# Altium PCB PCB.PcbDoc (part 1 of 3)
Units mm, origin at the board's own origin, x right, y up, seen from the top; angles counter-clockwise.
Board outline 138.43 x 79.63 mm, 2 copper layers (Top Layer, Bottom Layer), stack 1.57 mm thick; 201 components, 94 nets, 478 pads, 773 vias.
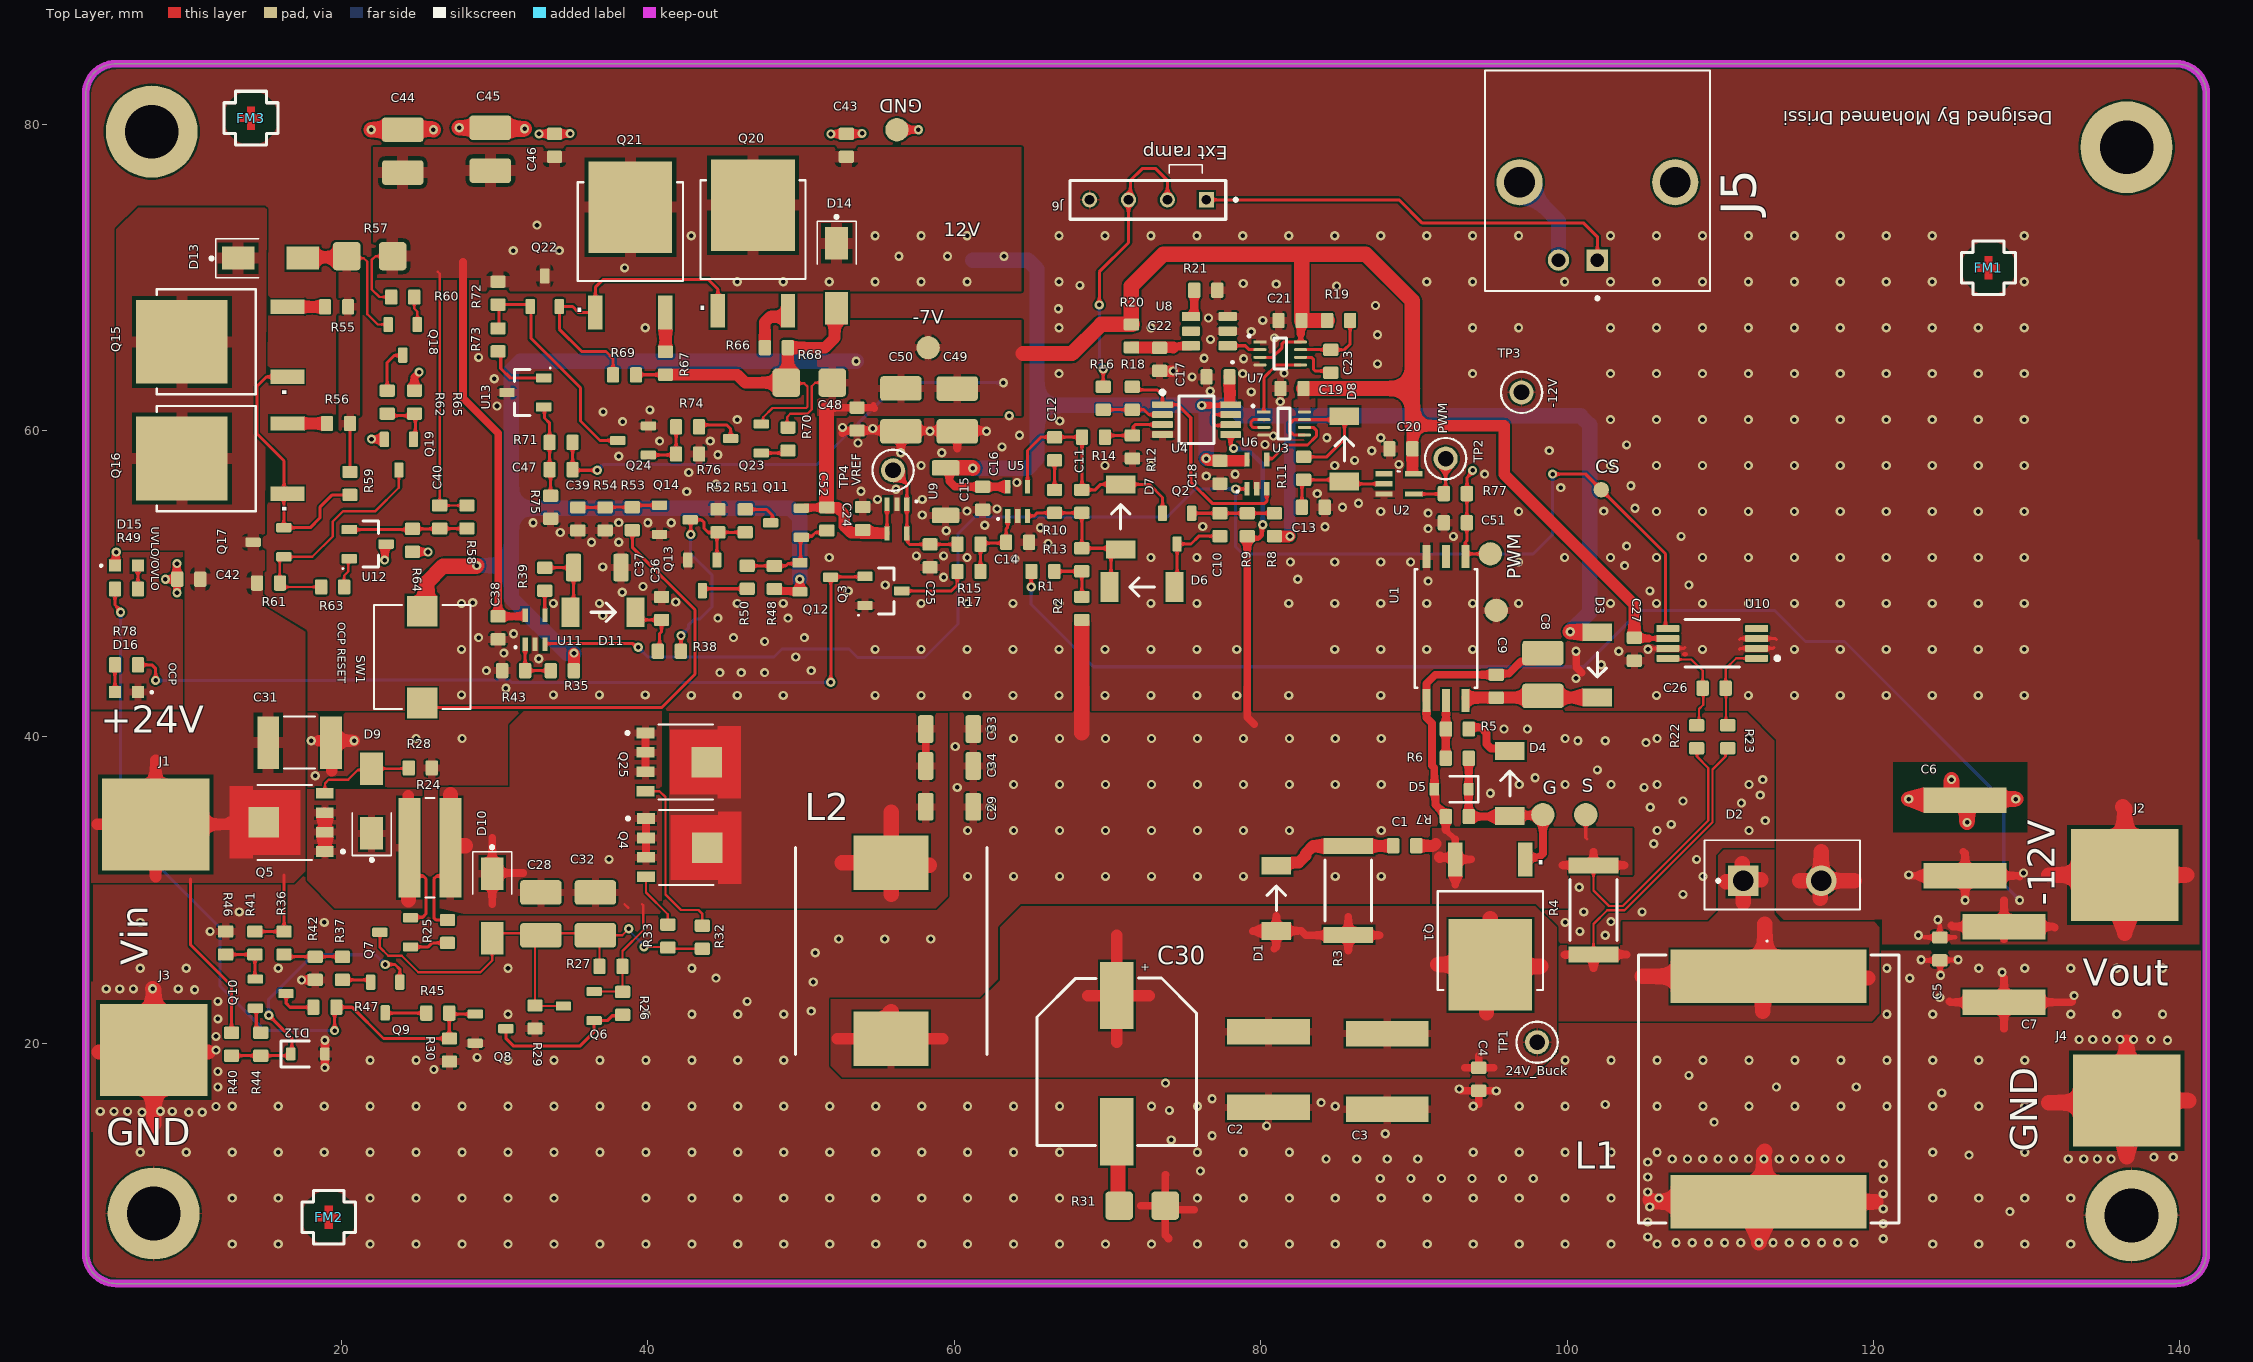
[diagram p0: Top Layer view]
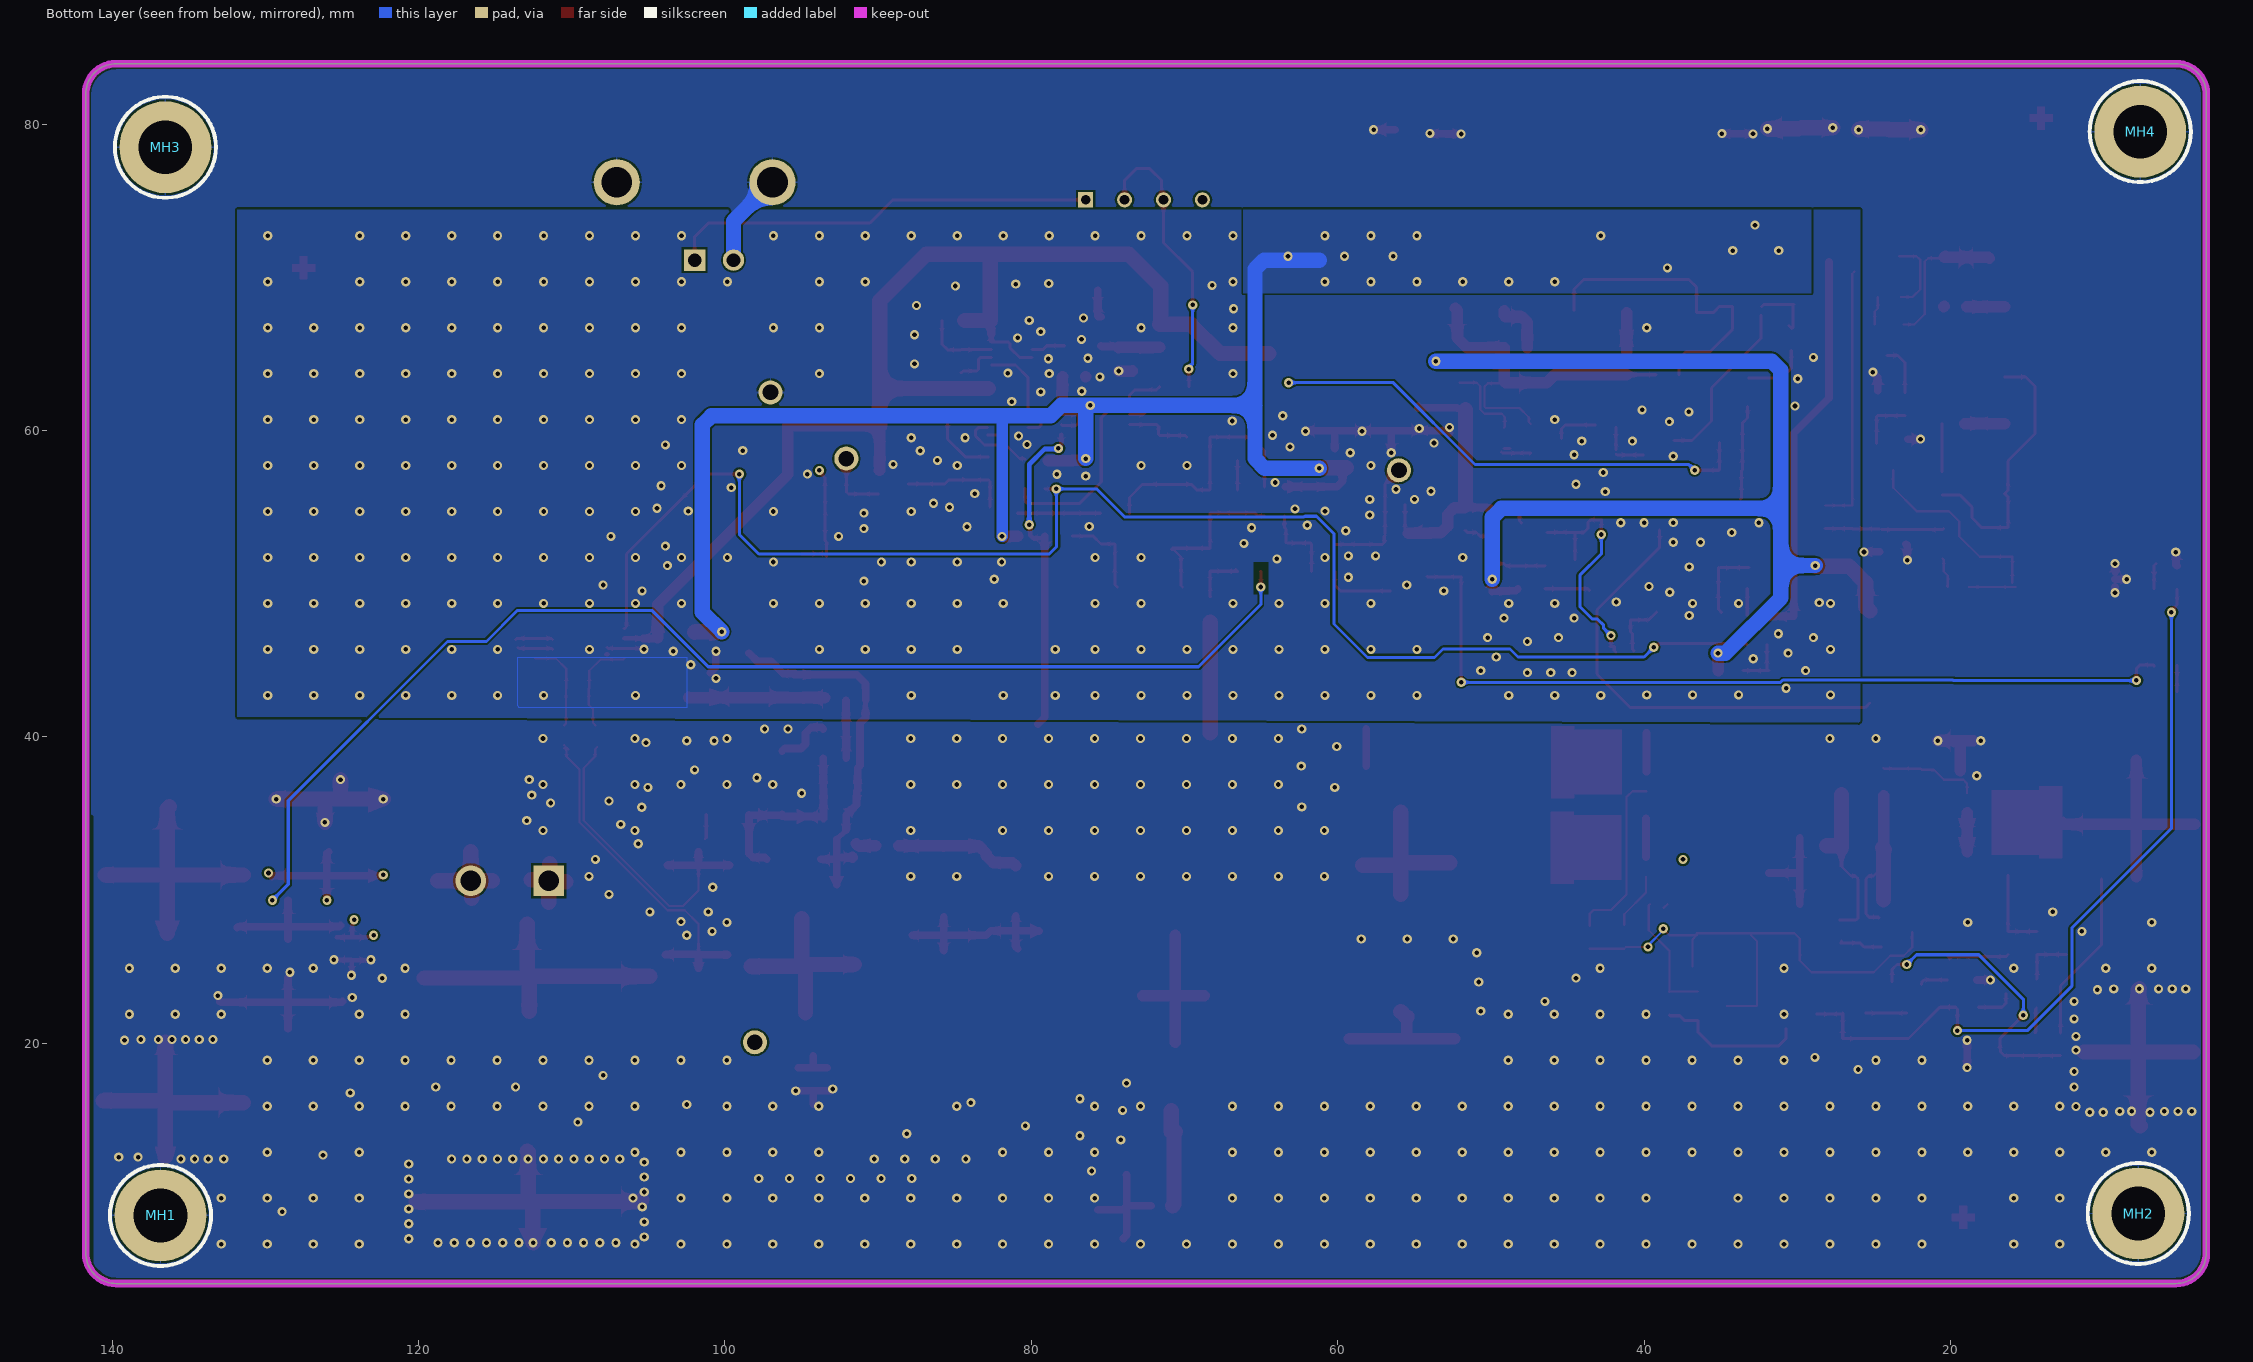
[diagram p1: Bottom Layer view, seen from below]
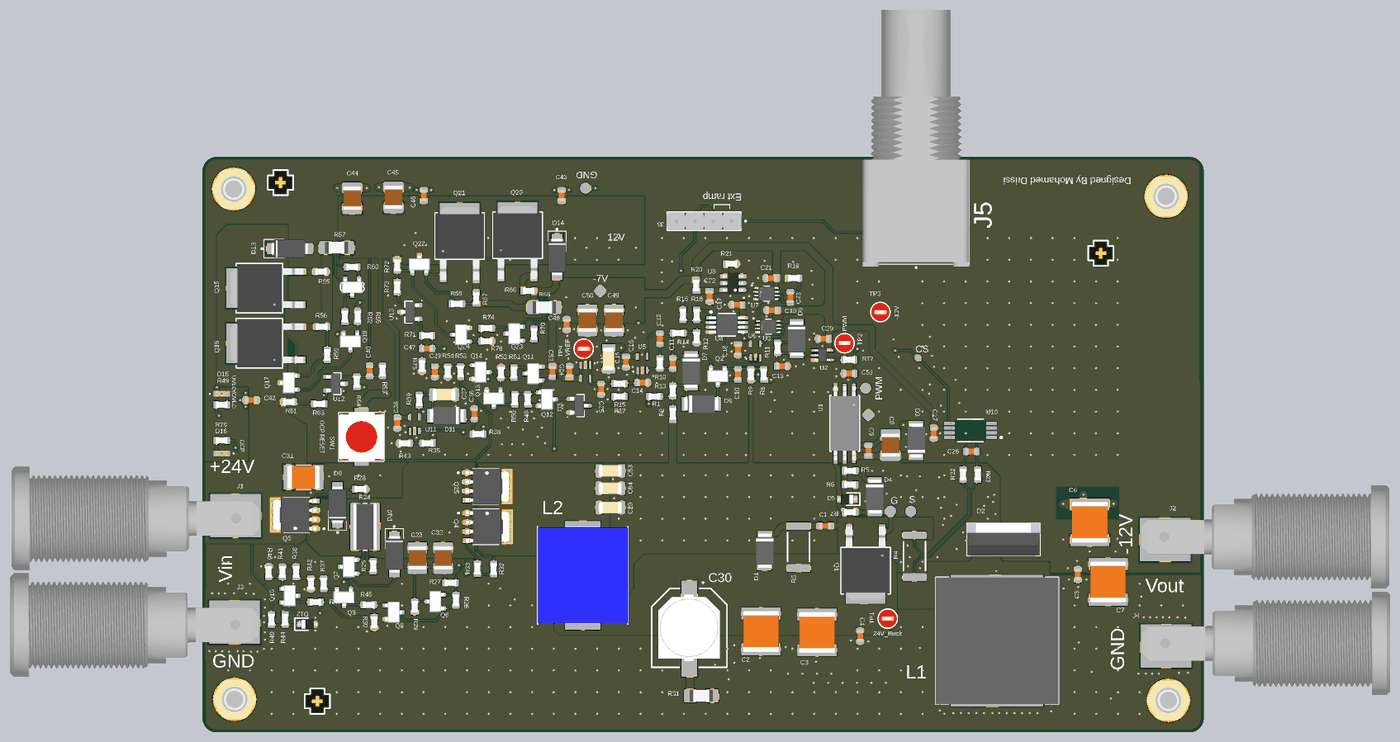
[diagram p4: 3D render of the assembled board from above, using the file's embedded part models]

## Layer stack, top to bottom
Top Solder: solder mask 0.01, Solder Resist, Dk 3.8
Top Layer: signal copper 0.035
Dielectric: dielectric 1.5, FR-4, Dk 4.5
Bottom Layer: signal copper 0.035
Bottom Solder: solder mask 0.01, Solder Resist, Dk 3.8

## Board outline
3.302,6.318 3.302,81.947 cw(c5.302,81.947) 5.302,83.947 139.732,83.947 cw(c139.732,81.947) 141.732,81.947 141.732,6.318 cw(c139.732,6.318) 139.732,4.318 5.302,4.318 cw(c5.302,6.318)

## Design rules (kind name [scope] priority, off if disabled: settings)
BoardOutlineClearance [All] p1: gap=0.2 ignorepadtopadclearanceinfootprint=FALSE
Clearance [All] p1: gap=0.127 ignorepadtopadclearanceinfootprint=FALSE except(0.25: Arc-Hole Track-Hole SMDPad-Hole THPad-Hole Via-Hole Fill-Hole Poly-Hole Region-Hole Text-Hole)
ComponentClearance [All] p1: gap=0.127 collisioncheckmode=3 verticalgap=0.127 showdistances=TRUE
DiffPairsRouting [All] p1: maxlimit=0.254 minlimit=0.127 mostfreqgap=0.127 toplayer_minwidth=0.127 toplayer_maxwidth=25.4 toplayer_prefwidth=0.127 bottomlayer_minwidth=0.127 bottomlayer_maxwidth=25.4 bottomlayer_prefwidth=0.127 maxuncoupledlength=12.7
Height [All] p1: minheight=0 maxheight=1816.048 prefheight=12.7
HoleSize [All] p1: absolutevalues=TRUE maxlimit=6.3 minlimit=0.3 maxpercent=80.000 minpercent=20.000
HoleToHoleClearance [All] p1: gap=0.25 allowstackedmicrovias=FALSE
MinimumAnnularRing [All] p1: minimumring=0.076
MinimumSolderMaskSliver [All] p1: minsoldermaskwidth=0
PlaneClearance [All] p1: clearance=0.127
PlaneConnect PlaneConnectPowerPads [InPadClass('PowerPads')] p1: planeconnectstyle=Direct reliefexpansion=0.508 reliefentries=4 reliefconductorwidth=0.254 reliefairgap=0.254
PlaneConnect [All] p2: pad.planeconnectstyle=Relief pad.reliefexpansion=0.3 pad.reliefentries=4 pad.reliefconductorwidth=0.127 pad.reliefairgap=0.127 via.planeconnectstyle=Direct via.reliefexpansion=0.3 via.reliefentries=4 via.reliefconductorwidth=0.127 via.reliefairgap=0.127
PolygonConnect "Pad Thermal relief 0.5mm" [IsNamedPolygon('NETD9_C_L01_P016') or IsNamedPolygon('NETC28_2_L01_P014')   or  IsNamedPolygon('NETD9_C_L01_P020')    or  IsNamedPolygon('NETC28_2_L01_P016')    or  IsNamedPolygon('Top Layer-+24V_Buck')    or IsNamedPolygon('+24V_IF_L01_P014')] p1: thpad.connectstyle=Relief thpad.reliefconductorwidth=0.254 thpad.reliefentries=4 thpad.polygonreliefangle="90 Angle" thpad.airgapwidth=0.254 smdpad.connectstyle=Relief smdpad.reliefconductorwidth=0.5 smdpad.reliefentries=4 smdpad.polygonreliefangle="90 Angle" smdpad.airgapwidth=0.254 via.connectstyle=Relief via.reliefconductorwidth=0.254 via.reliefentries=4 via.polygonreliefangle="90 Angle" via.airgapwidth=0.254
PolygonConnect "Pad Thermal relief 0.75mm" [IsNamedPolygon('Top Layer-+24V') or IsNamedPolygon('-7V_L01_P022') or IsNamedPolygon('-7V_L01_P023')      or IsNamedPolygon('Top Layer-+12V')    or IsNamedPolygon('-7V_L01_P034')] p2: thpad.connectstyle=Relief thpad.reliefconductorwidth=0.254 thpad.reliefentries=4 thpad.polygonreliefangle="90 Angle" thpad.airgapwidth=0.254 smdpad.connectstyle=Relief smdpad.reliefconductorwidth=0.75 smdpad.reliefentries=4 smdpad.polygonreliefangle="90 Angle" smdpad.airgapwidth=0.254 via.connectstyle=Direct via.reliefconductorwidth=0.254 via.reliefentries=4 via.polygonreliefangle="90 Angle" via.airgapwidth=0.254
PolygonConnect PolygonConnect_1 [IsNamedPolygon('-7V_L01_P022')  or IsNamedPolygon('-12V_L01_P023')  or IsNamedPolygon('NETD13_A_L01_P003')] p3: thpad.connectstyle=Relief thpad.reliefconductorwidth=0.254 thpad.reliefentries=4 thpad.polygonreliefangle="90 Angle" thpad.airgapwidth=0.254 smdpad.connectstyle=Direct smdpad.reliefconductorwidth=0.254 smdpad.reliefentries=4 smdpad.polygonreliefangle="90 Angle" smdpad.airgapwidth=0.254 via.connectstyle=Direct via.reliefconductorwidth=0.254 via.reliefentries=4 via.polygonreliefangle="90 Angle" via.airgapwidth=0.254
PolygonConnect PolygonConnectPowerPads [All vs (InPadClass('PowerPads'))] p4: connectstyle=Direct reliefconductorwidth=0.254 reliefentries=4 polygonreliefangle="90 Angle" airgapwidth=0.254
PolygonConnect [All] p5: thpad.connectstyle=Relief thpad.reliefconductorwidth=0.127 thpad.reliefentries=4 thpad.polygonreliefangle="90 Angle" thpad.airgapwidth=0.127 smdpad.connectstyle=Relief smdpad.reliefconductorwidth=0.5 smdpad.reliefentries=4 smdpad.polygonreliefangle="90 Angle" smdpad.airgapwidth=0.127 via.connectstyle=Direct via.reliefconductorwidth=0.127 via.reliefentries=4 via.polygonreliefangle="90 Angle" via.airgapwidth=0.127
RoutingVias [All] p1: holewidth=0.3 width=0.6 viastyle="Through Hole" minholewidth=0.3 minwidth=0.6 maxholewidth=0.6 maxwidth=6.6
SilkToSilkClearance [All] p1: silktosilkclearance=0
SilkToSolderMaskClearance [IsPad] p1: minsilkscreentomaskgap=0.127 clearancetoexposedcopper=TRUE
SolderMaskExpansion [All] p1: expansion=0.075 istentingtop=FALSE
SupplyNets "Schematic Supply Nets_7" [InNet('-12V')] p1: voltage=0.000
SupplyNets "Schematic Supply Nets_6" [InNet('+12V')] p2: voltage=0.000
SupplyNets "Schematic Supply Nets_5" [InNet('GND')] p3: voltage=0.000
SupplyNets "Schematic Supply Nets_4" [InNet('+24V_Buck')] p4: voltage=0.000
SupplyNets "Schematic Supply Nets_3" [InNet('+1V216')] p5: voltage=0.000
SupplyNets "Schematic Supply Nets_2" [InNet('+24V_IF')] p6: voltage=0.000
SupplyNets "Schematic Supply Nets_1" [InNet('+24V')] p7: voltage=0.000
SupplyNets "Schematic Supply Nets" [InNet('-7V')] p8: voltage=0.000
Width [All] p1: maxlimit=1 minlimit=0.15 preferedwidth=0.15
20 further rules are at their usual default settings.

## Classes and differential pairs
component class Protections: C36 C37 C38 C39 C52 D11 D12 D15 D16 Q9 Q10 Q11 Q12 Q13 Q14 R35 R36 R37 R38 R39 R40 R41 R42 R43 R44 R45 R46 R47 R48 R49 R50 R51 R52 R53 R54 R78 SW1 U11
component class "Power stage": C1 C2 C3 C4 C5 C6 C7 C8 C9 C51 D1 D2 D3 D4 D5 L1 Q1 R3 R4 R5 R6 R7 R22 R23 R77 TP1 U1
component class Main: FM1 FM2 FM3 J1 J2 J3 J4 J5 J6 MH1 MH2 MH3 MH4 R1 R2
component class "Linear regulators": C40 C42 C43 C44 C45 C46 C47 C48 C49 C50 D13 D14 Q15 Q16 Q17 Q18 Q19 Q20 Q21 Q22 Q23 Q24 R55 R56 R57 R58 R59 R60 R61 R62 R63 R64 R65 R66 R67 R68 R69 R70 R71 R72 R73 R74 R75 R76 U12 U13
component class "Input switch": C28 C31 C32 D9 D10 Q4 Q5 Q6 Q7 Q8 Q25 R24 R25 R26 R27 R28 R29 R30 R32 R33
component class "Input filter": C29 C30 C33 C34 L2 R31
component class "Current sense": C26 C27 U10
component class "Control circuit": C10 C11 C12 C13 C14 C15 C16 C17 C18 C19 C20 C21 C22 C23 C24 C25 D6 D7 D8 Q2 Q3 R8 R9 R10 R11 R12 R13 R14 R15 R16 R17 R18 R19 R20 R21 TP2 TP3 TP4 U2 U3 U4 U5 U6 U7 U8 U9

## Components (designator, comment, footprint, x,y, rotation, side; value= is the part's Value field where it differs from the comment)
C1 "GMC10X7R104K100NT" cap_0603 89.408,32.893 r180 top
C2 "KRM55WR71H476MH13K" cap_2220 80.518,18.288 r90 top
C3 "KRM55WR71H476MH13K" cap_2220 88.265,18.161 r90 top
C4 "GMC10X7R104K100NT" cap_0603 94.234,17.653 r90 top
C5 "GMC10X7R104K100NT" cap_0603 124.333,26.162 r90 top
C6 "KRM55WR71H476MH13K" cap_2220 125.984,33.401 r270 top
C7 "KRM55WR71H476MH13K" cap_2220 128.524,25.146 r90 top
C8 "885012209073" cap_1210 98.425,44.069 r270 top
C9 "GMC10X7R104K100NT" cap_0603 95.377,43.307 r270 top
C10 "GCM1885C2A101JA16D" Cap_0603 77.343,53.848 r90 top
C11 "VJ0603A120KXJCW1BC" cap_0603 68.326,55.372 r270 top
C12 "885012006026" Cap_0603 66.548,58.801 r270 top
C13 "CL10C150JC81PNC" cap_0603 83.439,54.991 r180 top
C14 "GMC10X7R104K100NT" cap_0603 64.135,52.705 r180 top
C15 "885382208005" cap_1206 59.436,56.007 r270 top
C16 "GMC10X7R104K100NT" cap_0603 61.851,55.578 r90 top
C17 "GMC10X7R104K100NT" cap_0603 77.216,63.5 r0 top
C18 "GMC10X7R104K100NT" cap_0603 77.343,57.277 r90 top
C19 "GMC10X7R104K100NT" cap_0603 82.042,62.738 r0 top
C20 "GMC10X7R104K100NT" cap_0603 89.154,58.801 r0 top
C21 "GMC10X7R104K100NT" cap_0603 81.915,67.183 r0 top
C22 "CL10B105KA8NNNC" cap_0603 73.406,64.643 r90 top
C23 "CL10C330JB8NNNC" cap_0603 84.582,64.516 r90 top
C24 "GMC10X7R104K100NT" cap_0603 54.026,54.258 r270 top
C25 "C0603C223K4RACTU" cap_0603 58.42,51.816 r90 top
C26 "C0603C103K4RACTU" cap_0603 109.601,43.18 r180 top
C27 "GMC10X7R104K100NT" cap_0603 104.394,45.72 r90 top
C28 "GRM32EC72A106KE05L" cap_1210 33.02,28.448 r90 top
C29 "GRM31CC72A475KE11" cap_1206 59.69,35.433 r180 top
C30 "A786MW227M1HLAS011" CAP_POL_10×16.5 70.612,18.669 r90 top
C31 "GMC43X7R226K50NT" CAP_1812 17.272,39.624 r180 top
C32 "GRM32EC72A106KE05L" cap_1210 36.576,28.448 r90 top
C33 "GRM31CC72A475KE11" cap_1206 59.69,40.513 r180 top
C34 "GRM31CC72A475KE11" cap_1206 59.69,38.1 r180 top
C36 "CC0603KRX7R0BB333" cap_0603 40.894,48.387 r270 top
C37 "885382208005" cap_1206 36.703,51.054 r180 top
C38 "GMC10X7R104K100NT" cap_0603 30.226,47.117 r90 top
C39 "C0603C103K4RACTU" cap_0603 35.433,54.229 r90 top
C40 "CC0603JRNPO7BN221" cap_0603 26.416,54.356 r90 top
C42 "GMC10X7R104K100NT" cap_0603 10.033,50.292 r0 top
C43 "GMC10X7R104K100NT" cap_0603 52.959,78.613 r270 top
C44 "885012209073" cap_1210 24.003,78.232 r270 top
C45 "885012209073" cap_1210 29.718,78.359 r270 top
C46 "GMC10X7R104K100NT" cap_0603 33.909,78.613 r270 top
C47 "CC0603JRNPO7BN221" cap_0603 34.339,57.445 r0 top
C48 "GMC10X7R104K100NT" cap_0603 53.657,60.741 r90 top
C49 "885012209073" cap_1210 60.198,61.338 r90 top
C50 "885012209073" cap_1210 56.515,61.341 r90 top
C51 "GCM1885C2A101JA16D" Cap_0603 92.71,53.975 r0 top
C52 "C0603C103K4RACTU" cap_0603 51.689,54.229 r90 top
D1 "VSS8D2M12" DO-221AD 81.026,29.464 r270 top
D2 "STPS10L60D" TO-220 114.046,30.607 r0 top
D3 "VSS8D2M12" DO-221AD 101.981,44.704 r90 top
D4 "VSS8D2M12" DO-221AD 96.266,36.957 r270 top
D5 "MM3Z27VT1G" SOD-323 92.456,36.576 r0 top
D6 "VSS8D2M12" DO-221AD 72.263,49.784 r0 top
D7 "VSS8D2M12" DO-221AD 70.866,54.356 r270 top
D8 "VSS8D2M12" DO-221AD 85.471,58.801 r270 top
D9 "1PGSMA4744H" DO-214AC 21.971,35.814 r90 top
D10 "1PGSMA4744H" DO-214AC 29.845,28.956 r270 top
D11 "VSS8D2M12" DO-221AD 37.084,48.133 r180 top
D12 "BZX384-A5V6-QX" SOD-323 17.808,19.304 r180 top
D13 "SS14" DO-214AC 15.367,71.247 r0 top
D14 "SS14" DO-214AC 52.324,70.104 r270 top
D15 "LTST-C190KRKT" LED 5.969,51.181 r0 top value=100µF
D16 "LTST-C190KRKT" LED 5.969,42.926 r180 top value=100µF
FM1 "Fiducial Marker" FIDUCIAL_CROSS_1MM5 127.508,70.612 r0 top
FM2 "Fiducial Marker" FIDUCIAL_CROSS_1MM5 19.177,8.636 r0 top
FM3 "Fiducial Marker" FIDUCIAL_CROSS_1MM5 14.097,80.391 r0 top
J1 "108-0906-001" "Black Banana connector Solder terminal" 7.874,34.29 r180 top
J2 "108-0906-001" "Black Banana connector Solder terminal" 136.398,30.988 r0 top
J3 "108-0903-001" "Black Banana connector Solder terminal" 7.747,19.558 r180 top
J4 "108-0903-001" "Black Banana connector Solder terminal" 136.525,16.256 r0 top